# Altium PCB PCB1.PcbDoc (part 3 of 3)
Units mil, origin at the board's own origin, x right, y up, seen from the top; angles counter-clockwise.
Board outline 6000 x 4000 mil, 4 copper layers (Top Layer, Mid-Layer 1, Mid-Layer 2, Bottom Layer); 368 components, 202 nets, 969 pads, 330 vias.
Unrouted connection lines stored in the file: 67.
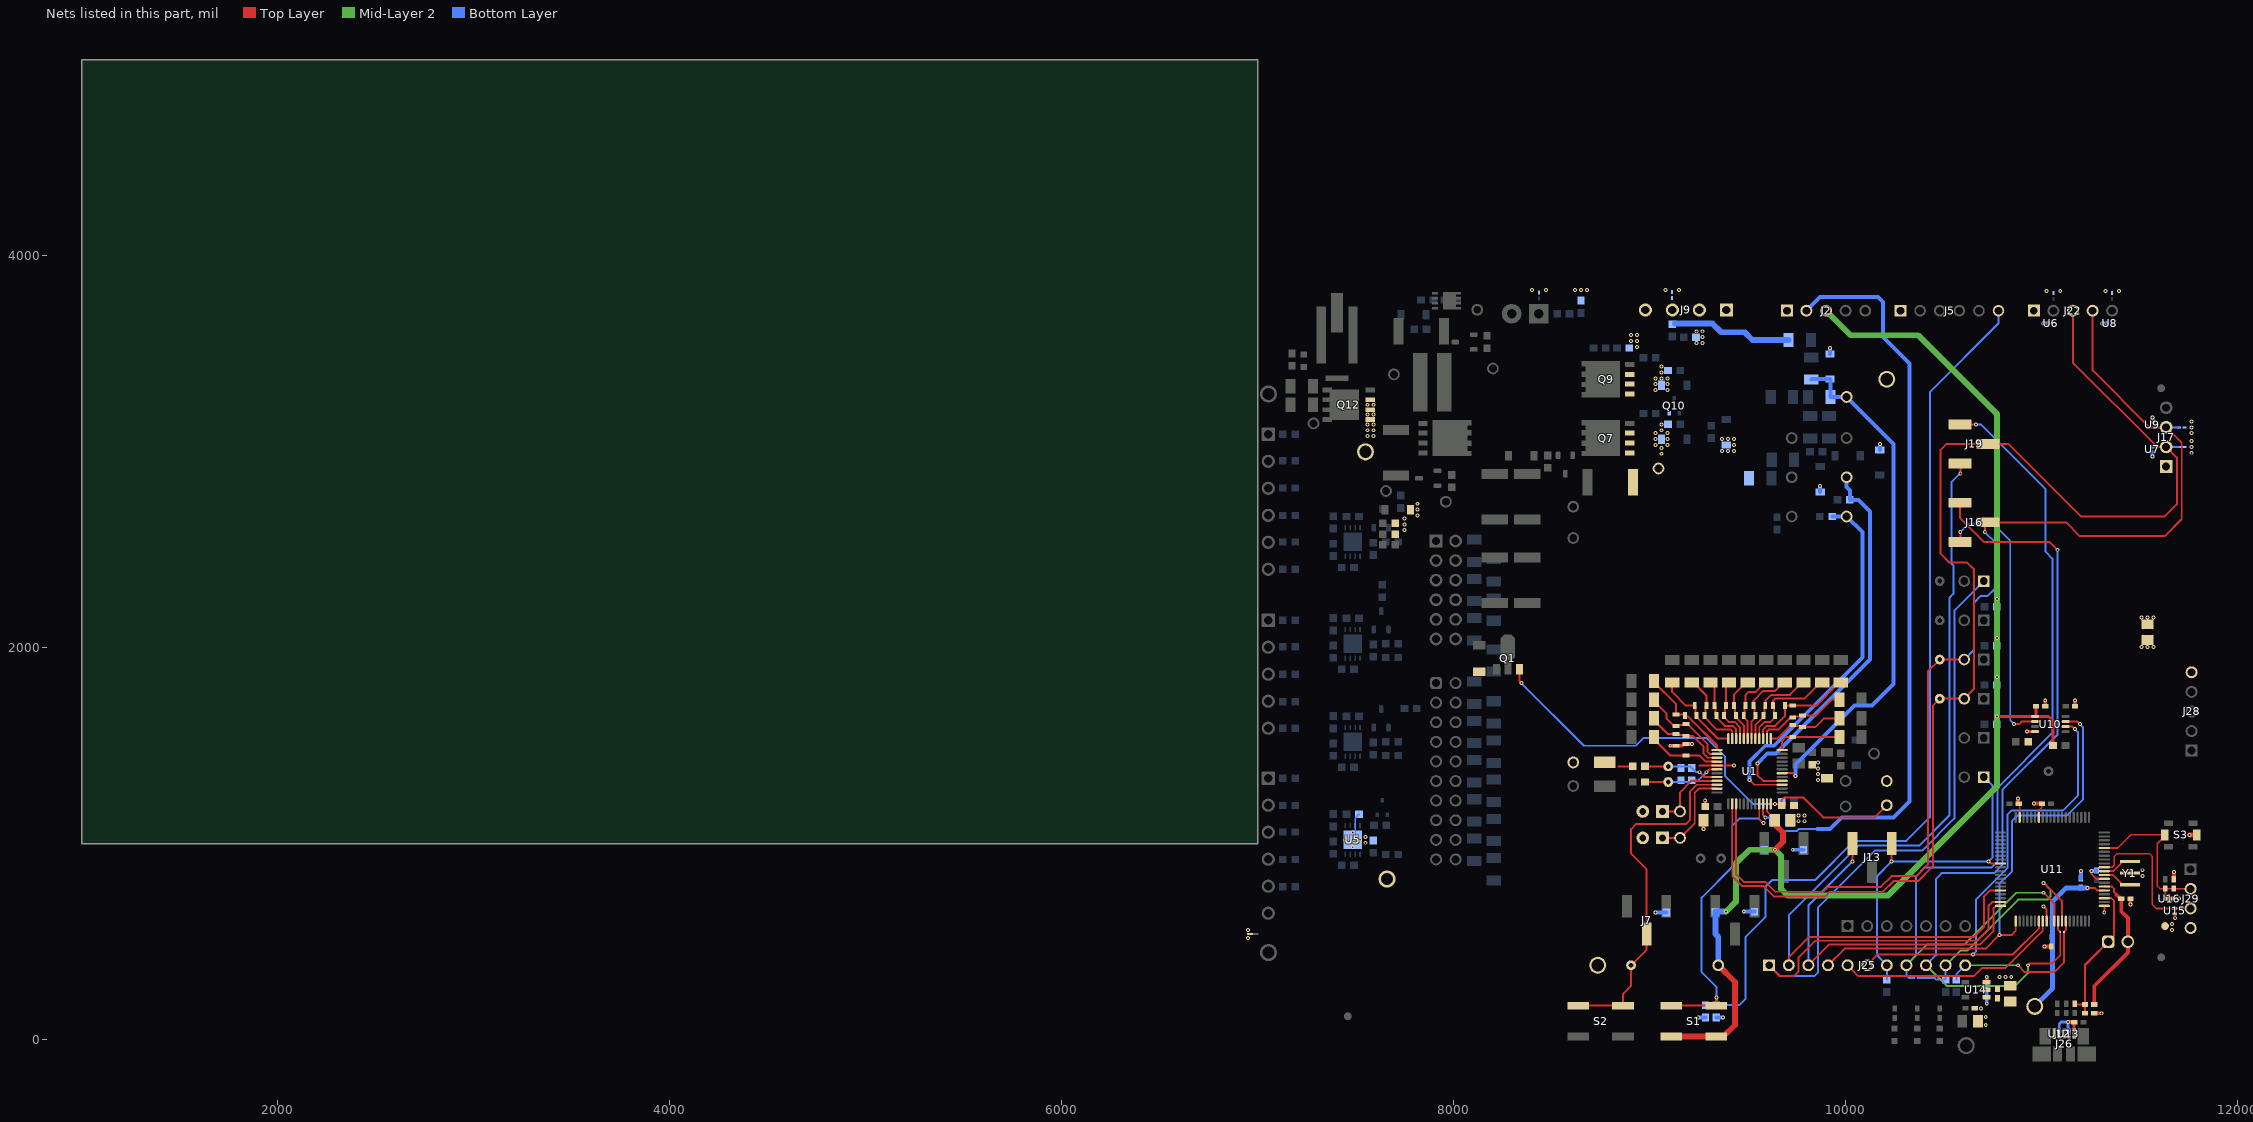
[diagram p5: the nets of this part, all layers, seen from the top]

## Via types
v1: diameter 20, hole 10, Top Layer to Bottom Layer, tented both sides, 298 vias
v2: diameter 19.68, hole 7.87, Top Layer to Bottom Layer, tented both sides, 32 vias

## Nets (pads, with @x,y where several pads share a name; then routed paths per layer and width w, separated by ;. In a path a pad name is that pad's centre, name@x,y a point inside that pad or via, vN(x,y) a via of type N, cw(c..) or ccw(c..) an arc to the next point about the centre after c; other vN are vias at no path point) (continued)
NetRT1_1: RT1.1 TP7.1 U1.21 | length 400.5
  Top Layer w10: RT1.1@9065,1165 TP7.1@9155,1165 9155,1262.75 9213.04,1320.79 U1.21@9343.66,1320.79
NetRT2_1: RT2.1 TP8.1 U1.23 | length 473.6
  Top Layer w10: RT2.1@9065,1030 TP8.1@9155,1030 9230,1105 9230,1260 9251.42,1281.42 U1.23@9343.66,1281.42
NetU11_69: U11.69 Y1.1 | length 135.8
  Top Layer w10: U11.69@11319.76,840.47 11364.53,840.47 11414.06,790.94 Y1.1@11435,790.94
NetU11_70: U11.70 Y1.3 | length 135.5
  Top Layer w10: U11.70@11319.76,860.16 11365.16,860.16 11414.06,909.06 Y1.3@11435,909.06
P4_2: J25.6 U10.6 U11.47 | length 2576.4
  Top Layer w10: J25.6@10110,380 10165,435 v1(10650,435) 10853.93,435 10986.1,567.18 U11.47@10986.1,605.24 ; U10.6@11122.76,1598.2 11156.8,1598.2 v1(11170,1585)
  Bottom Layer w10: v1(10650,435) 10665,450 10665,715.24 10825,875.24 10825,1148.15 10846.85,1170 11110,1170 11185,1245 11185,1570 v1(11170,1585)
P4_3: J25.5 U11.48 | length 1163.6
  Top Layer w10: J25.5@10010,380 10065,325 10654.72,325 10694.72,365 10815,365 11005.79,555.79 U11.48@11005.79,605.24
PACK: D11.1 R70.2 R73.2 TP33.1 U1.42 | length 2639.6
  Top Layer w10: U1.42@9676.34,1360.16 9729.84,1360.16 v1(9745,1345)
  Bottom Layer w20: v1(9745,1345) 9745,1405 10045,1705 10135,1705 10245,1815 10245,3040 TP33.1@10005,3280 R70.2@9922.09,3280 9922.09,3368.44 D11.1@9920,3370.53 9827.62,3370.53 R73.2@9825,3367.91
PACK+: C38.1 C42.1 D5.2 D6.2 E2.1 J9.3 J9.4 Q7.1 Q7.2 Q7.3 Q9.1 Q9.2 Q9.3 Q10.2 R40.2 R51.1 R52.1 R74.1 R77.1 TP22.1 | length 613.1
  Bottom Layer w30: C42.1@9130.02,3655 9320,3655 9365,3610 9485,3610 9525,3570 R74.1@9707.91,3570
  other v1: 9060,2990 9060,3020 9030,3035 9090,3035 9030,3065 9090,3065 9030,3095 9090,3095 9060,3110 9060,3140 9030,3315 9090,3315 9030,3345 9090,3345 9030,3375 9060,3375 9090,3375 9060,3405 9060,3435 8935,3535 8905,3565 8935,3565 8905,3595 8935,3595
PCHG: R62.1 TP31.1 U1.40 | length 1998.2
  Top Layer w10: v1(9550,1410) 9550,1350 9579.21,1320.79 U1.40@9676.34,1320.79
  Bottom Layer w20: v1(9550,1410) 9600,1460 9645,1460 10125,1940 10125,2695 10065,2755 R62.1@10021.5,2755 10021.5,2803.5 10005,2820 TP31.1@10005,2870
PDSG: R63.1 TP32.1 U1.39 | length 1892.4
  Top Layer w10: v1(9510,1325) 9533.9,1301.1 U1.39@9676.34,1301.1
  Bottom Layer w20: v1(9510,1325) 9510,1420 9590,1500 9635,1500 10085,1950 10085,2590 TP32.1@10005,2670 R63.1@9931.5,2670
PGND: C36.2 C45.2 D7.2 E1.2 E2.2 E3.2 E4.2 E5.2 E6.2 J9.1 J9.2 J17.1 J22.1 NT5.2 R28.1 R30.1 TP36.1 U6.2 U7.2 U8.2 U9.2 | length 153.5
  Top Layer w10: 8840,1395 R28.1@8913.5,1395
  Bottom Layer w20: v1(11010,3655) U6.2@11030,3655 ; v1(11310,3655) U8.2@11330,3655 ; v1(11565,2975) U7.2@11565,2995 ; U9.2@11565,3155 v1(11565,3175)
  other v1: 11510,2155 11540,2155 11570,2155 11765,2995 9370,3005 9400,3005 9430,3005 11765,3025 9430,3035 11765,3055 9370,3065 9400,3065 9430,3065 11765,3095 11765,3125 11765,3155 9240,3555 9270,3555 9270,3585 9240,3615 9270,3615 11025,3820 11095,3820 11325,3820 11395,3820 8400,3825 8470,3825 8620,3825 8650,3825 8680,3825 9080,3825 9150,3825
PUR: J27.1 R116.1 R118.2 R119.1 U11.63 | length 738.6
  Top Layer w10: R116.1@11173.62,180 R119.1@11221.38,180 ; R118.2@11221.38,135 R119.1@11221.38,180 ; U11.63@11319.76,722.36 11355.79,722.36 11370,708.15 11370,530 11221.38,381.38 R119.1@11221.38,180
QGND: C58.1 C59.1 C60.2 C61.2 C62.2 C63.2 C64.2 C65.2 C66.2 C67.2 C68.2 C69.2 C70.2 J26.5 J28.5 J29.4 NT5.1 R112.1 R117.1 R118.1 S3.1 TP45.1 U10.4 U11.14 U11.19 U11.49 U11.61 U11.68 U12.2 U13.2 U14.2 U15.2 U16.2 Y1.2 | length 1025.6
  Top Layer w8: C61.2@10883.62,1205 10887.68,1200.94 U11.19@10887.68,1134.76 ; U11.14@10986.1,1134.76 10986.1,1171.1 11001.38,1186.38 C69.2@11001.38,1205
  Top Layer w10: v1(11010,680) 11025.47,664.53 U11.49@11025.47,605.24 ; v1(11255,860) 11255,845 11279.21,820.79 U11.68@11319.76,820.79 ; v1(11319.76,650) U11.61@11319.76,682.99
  Top Layer w15: v1(10925,1572.61) U10.4@10967.24,1572.61 ; J26.5@11166.18,31.81 11166.18,89.8 R117.1@11166.38,90 ; U16.2@11669.68,720 v1(11700,720) ; v1(11680,620) U15.2@11680,640
  Top Layer w20: v1(10880,1230) 10880,1208.62 C61.2@10883.62,1205 ; v1(10961.38,1205) C69.2@11001.38,1205 ; v1(11015,476.38) C68.2@11050,476.38 ; C58.1@11018.62,1701 v1(11018.62,1730) ; v1(11135,90) R117.1@11166.38,90 ; C59.1@11170.62,1701 v1(11170.62,1730) ; R118.1@11268.62,135 v1(11305,135) ; v1(11453.62,690) C60.2@11453.62,720 ; C70.2@11675,818.62 v1(11675,855)
  Top Layer w25: v1(11755,1045) S3.1@11791.69,1045
  Bottom Layer w15: U12.2@11090,45 11090,80 11100,90 v1(11135,90) U13.2@11135,45
  Bottom Layer w20: C66.2@11200,823.62 v1(11200,860) ; v1(11255,860) 11276.38,860 C67.2@11280,863.62
  other v1: 10715,75 10715,115 10690,160 10785,320 10815,320 10845,320 11665,560 11665,590 11515,835 11515,865 11510,2005 11540,2005 11570,2005
REG1: C12.2 C58.2 J2.3 R25.1 R89.1 R92.1 R94.1 R97.1 R99.1 R113.1 S1.3 S1.4 TP6.1 U1.35 U10.1 | length 7043.7
  Top Layer w10: U1.35@9598.58,1203.66 9598.58,1166.42 9640.55,1124.45 C12.2@9640.55,1096.45 ; v1(10771.5,1650) v1@10772.11,1649.39 ; U10.1@10967.24,1649.39 U10.1@10971.38,1653.52
  Top Layer w15: v1@10772.11,1649.39 U10.1@10967.24,1649.39 11035.61,1649.39 11058.5,1626.5 R113.1@11058.5,1501 ; U10.1@10971.38,1653.52 C58.2@10971.38,1701
  Top Layer w30: S1.3@9110.83,16.26 S1.4@9339.17,16.26 9376.26,16.26 9435,75 9435,295 TP6.1@9350,380 ; v1(9639.37,969.37) 9680,1010 9680,1057 C12.2@9640.55,1096.45
  Mid-Layer 2 w30: v1(9390,653.51) 9440,703.51 9440,900 9509.37,969.37 v1(9639.37,969.37) 9670,938.75 9670,770 9705,735 10215,735 10771.5,1291.5 v1(10771.5,1650) v1(10771.5,1850) v1(10771.5,2050) v1(10771.5,2250) 10771.5,3193.5 10370,3595 10025,3595 J2.3@9900,3720
  Bottom Layer w30: TP6.1@9350,380 9350,525 9335.01,539.99 R25.1@9335,653.5 v1(9390,653.51) ; R89.1@9585,969.37 v1(9639.37,969.37) ; R99.1@10771.5,1610 v1(10771.5,1650) ; R97.1@10771.5,1810 v1(10771.5,1850) ; R94.1@10771.5,2010 v1(10771.5,2050) ; R92.1@10771.5,2210 v1(10771.5,2250)
REG2: C15.2 J2.2 U1.34 | length 3946.4
  Top Layer w10: U1.34@9578.9,1203.66 9578.9,1146.1 v1(9590,1135)
  Bottom Layer w10: v1(9590,1135) 9630,1135 9630,1115 9680,1065 9750,1065 9760,1075 9855,1075
  Bottom Layer w20: J2.2@9800,3720 9870,3790 10165,3790 10190,3765 10190,3585 10325,3450 10325,1215 10245,1135 9980,1135 9920,1075 9855,1075
REGIN: C13.2 Q1.3 R15.1 TP5.1 U1.36 | length 2455.6
  Top Layer w10: Q1.3@8340.51,1895 Q1.3@8335.71,1890.2 8335.71,1829.29 v1(8345,1820) ; U1.36@9618.27,1203.66 v1(9640,1203.66) 9664.84,1203.66 C13.2@9673.5,1195 9673.5,1223.5 9685,1235 9785,1235 9885,1135 10148.74,1135 TP5.1@10210,1196.26
  Bottom Layer w10: v1(8345,1820) 8665,1500 8930,1500 8970,1540 9288.66,1540 9385,1443.66 9385,1345 9526.34,1203.66 v1(9640,1203.66) 9662.17,1203.66 R15.1@9673.5,1215
RST: C70.1 J29.2 R123.1 S3.2 U11.76 U16.1 | length 840.7
  Top Layer w8: U11.76@11319.76,978.27 11388.27,978.27 11455,1045 S3.2@11628.31,1045 11628.31,1038.31 11590,1000 11590,785 11603.62,771.38 R123.1@11630,771.38 ; U16.1@11637.2,720 11637.2,738.11 11630.32,745 11630.32,771.06 R123.1@11630,771.38 ; J29.2@11758.62,771.38 R123.1@11630,771.38
RST_SHUT: C20.1 J5.6 R20.1 S1.1 S1.2 U1.33 | length 6120.2
  Top Layer w10: S1.1@9110.83,173.74 S1.2@9339.17,173.74 9340,174.57 v1(9340,215) ; U1.33@9559.21,1203.66 9559.21,1125.79 v1(9580,1105)
  Bottom Layer w10: R20.1@9285,176.5 C20.1@9340,176.5 ; v1(9580,1105) 9555,1130 9460,1130 9421.42,1091.42 9421.42,881.42 9265,725 9265,345 9340,270 C20.1@9340,176.5 ; J5.6@10780,3720 10780,3655 10430,3305 10430,1135 10310,1015 10045,1015 9845,815 9625,815 9590,780 9590,625 9490,525 9490,210 9456.5,176.5 C20.1@9340,176.5
SCL: E4.1 J17.2 J18.2 J19.2 J22.3 TP40.1 U1.26 U7.1 | length 6674.7
  Top Layer w10: U1.26@9421.42,1203.66 9421.42,833.58 9470,785 9580,785 9635,730 9895,730 9920,755 10190,755 10245,810 10370,810 10445,885 10445,1705 TP40.1@10480,1740 J18.2@10605,1740 10655,1790 10655,2400 10620,2435 10530,2435 10485,2480 10485,3010 10515,3040 10830,3040 11200,2670 11627.91,2670 11690,2732.09 11690,2970.58 J17.2@11635.59,3025 11590,3025 11160,3455 J22.3@11160,3720
  Bottom Layer w10: U7.1@11565,3025 J17.2@11635.59,3025 E4.1@11700,3025
SCL2: J19.3 J25.8 NT3.1 U11.51 | length 4641.8
  Top Layer w10: J19.3@10584.13,3140 v1(10665,3140) ; v1(11010,750) 11064.84,695.16 U11.51@11064.84,605.24
  Mid-Layer 2 w10: J25.8@10310,380 10415,485 10605,485 10870,750 v1(11010,750)
  Bottom Layer w10: NT3.1@10350,315 10325,315 10310,330 J25.8@10310,380 10360,430 10360,835 10405,880 10745,880 10775,910 10775,1285.36 11055,1565.36 11055,2455 11020,2490 11020,2810 10690,3140 v1(10665,3140)
SDA: E6.1 J15.2 J16.2 J17.3 J22.4 TP39.1 U1.27 U9.1 | length 5956
  Top Layer w10: U1.27@9441.1,1203.66 9441.1,843.9 9480,805 9590,805 9640,755 9885,755 9910,780 10180,780 10235,835 10360,835 10420,895 10420,1880 TP39.1@10480,1940 J15.2@10605,1940 ; J16.2@10705,2640 11125,2640 11195,2570 11627.91,2570 11715,2657.09 11715,3045.58 J17.3@11635.59,3125 11550,3125 11260,3415 J22.4@11260,3720 ; v1(10710,2590) 10710,2624.13 J16.2@10725.87,2640
  Bottom Layer w10: J15.2@10605,1940 10655,1990 10655,2230 10690,2265 10725,2265 10765,2305 10765,2535 v1(10710,2590) ; U9.1@11565,3125 J17.3@11635.59,3125 E6.1@11700,3125
SDA2: J16.3 J25.9 NT4.1 U11.52 | length 4191.5
  Top Layer w10: J16.3@10584.13,2740 10584.13,2660.87 10705,2540 11040,2540 v1(11080,2500) ; v1(10930,380) 10940,390 11055,390 11095,430 NT4.1@11095,550 11084.53,560.47 U11.52@11084.53,605.24
  Mid-Layer 2 w10: J25.9@10410,380 10515,275 10865,275 10930,340 v1(10930,380)
  Bottom Layer w10: J25.9@10410,380 10460,430 10460,820 10490,850 10757.43,850 10800,892.57 10800,1275 11080,1555 v1(11080,2500)
SMBC1: J25.10 NT3.2 R110.2 U11.53 | length 1215.3
  Top Layer w10: v1(11010,800) 11104.21,705.79 U11.53@11104.21,605.24
  Mid-Layer 2 w10: J25.10@10510,380 10585,455 10620,455 10880,715 11030,715 11045,730 11045,765 v1(11010,800)
  Bottom Layer w10: NT3.2@10370,315 10455,315 10463.5,306.5 R110.2@10510,306.5 J25.10@10510,380
SMBD1: J25.11 NT4.2 R109.2 U11.54 | length 846.3
  Top Layer w10: v1(10880,380) 10915,345 11065,345 11115,395 NT4.2@11115,550 11123.9,558.9 U11.54@11123.9,605.24
  Mid-Layer 2 w10: J25.11@10610,380 v1(10880,380)
  Bottom Layer w10: R109.2@10565,306.5 10565,335 J25.11@10610,380
SRN: C27.1 C28.2 R28.2 TP13.1 U1.20 | length 389.8
  Top Layer w10: R28.2@8976.5,1395 TP13.1@9095,1395 ; v1(9255,1365) 9279.53,1340.47 U1.20@9343.66,1340.47
  Bottom Layer w10: TP13.1@9095,1395 9206.5,1395 C27.1@9215,1386.5 9236.5,1365 v1(9255,1365)
SRP: C27.2 C28.1 R27.2 TP12.1 U1.18 | length 394
  Top Layer w10: R27.2@8976.5,1315 TP12.1@9095,1315 ; v1(9290,1365) 9304.84,1379.84 U1.18@9343.66,1379.84
  Bottom Layer w10: TP12.1@9095,1315 9206.5,1315 C27.2@9215,1323.5 9248.5,1323.5 v1(9290,1365)
TEST: J29.3 U11.71 U15.1 | length 755
  Top Layer w8: U11.71@11319.76,879.84 11359.84,879.84 11370,890 11370,935 11385,950 11550,950 11565,935 11565,690 11585.31,669.69 U15.1@11685,669.69 ; U15.1@11685.31,670 J29.3@11760,670
TS2: J7.2 S2.3 S2.4 TP11.1 U1.22 | length 1830.1
  Top Layer w10: S2.4@8635.83,173.74 S2.3@8864.17,173.74 8864.17,234.17 8905,275 TP11.1@8905,380 8985,460 J7.2@8985,539.14 8985,870 8905,950 8905,1075 8930,1100 9185,1100 9205,1120 9205,1265 9241.1,1301.1 U1.22@9343.66,1301.1
uC_HDQ: J13.3 J21.1 J25.7 R111.2 U11.29 | length 1762.6
  Top Layer w10: v1(10235,910) J13.3@10235,1000.87 ; v1(10730,910) 10740.47,899.53 U11.29@10790.24,899.53
  Bottom Layer w10: R111.2@10210,306.5 J25.7@10210,380 10160,430 10160,835 v1(10235,910) v1(10730,910) 10750,930 10750,1295 J21.1@10705,1340
uC_SPI_CLK: J19.1 J25.2 U11.36 | length 4465.3
  Top Layer w10: J25.2@9710,380 9710,420 9815,525 10655,525 10705,575 10705,730 10736.73,761.73 U11.36@10790.24,761.73 ; J19.1@10584.13,2940 10585,2939.13 v1(10585,2890)
  Bottom Layer w10: J25.2@9710,380 9710,635 10065,990 10375,990 10530,1145 10530,2255 10550,2275 10550,2420 10540,2430 10540,2845 v1(10585,2890)
uC_SPI_CS: J10.1 J25.1 U11.39 | length 4237.6
  Top Layer w10: J25.1@9610,380 9665,325 9735,325 9760,350 9760,420 9845,505 10670,505 10730,565 10730,685 10747.68,702.68 U11.39@10790.24,702.68
  Bottom Layer w10: J25.1@9610,380 9665,325 9840,325 9860,345 9860,675.28 10149.72,965 10390,965 10555,1130 10555,2190 J10.1@10705,2340
uC_SPI_MISO_A: J16.1 U10.2 | length 1413.4
  Top Layer w10: J16.1@10584.13,2540 10585,2540.87 v1(10585,2590) ; v1(10860,1610) 10885,1610 10898.8,1623.8 U10.2@10967.24,1623.8
  Bottom Layer w10: v1(10585,2590) 10625,2630 10755,2630 10840,2545 10840,1630 v1(10860,1610)
uC_SPI_MISO_B: J25.4 U10.7 U11.41 | length 2563.4
  Top Layer w10: J25.4@9910,380 9995,465 10715,465 v1(10785,535) 10847.99,535 10867.99,555 U11.41@10867.99,605.24 ; U10.7@11122.76,1623.8 11181.2,1623.8 v1(11195,1610)
  Bottom Layer w10: v1(10785,535) 10785,795.47 10850,860.47 10850,1116.77 10878.23,1145 11130,1145 11210,1225 11210,1595 v1(11195,1610)
uC_SPI_MOSI: J13.1 J25.3 U11.40 | length 1887.2
  Top Layer w10: J25.3@9810,380 9915,485 10685,485 10755,555 10755,670 10767.99,682.99 U11.40@10790.24,682.99 ; v1(10035,910) J13.1@10035,1000.87
  Bottom Layer w10: J25.3@9810,380 9810,685 v1(10035,910)
VBUS: C62.1 C63.1 C66.1 J26.1 TP43.1 U11.65 U14.1 U14.3 | length 1034.5
  Top Layer w10: v1(11235,775) 11270,775 11283.27,761.73 U11.65@11319.76,761.73
  Top Layer w20: U14.3@10719.13,292.4 10720,293.27 v1(10720,320)
  Bottom Layer w20: v1(10720,185) v1(10720,320)
  Bottom Layer w25: TP43.1@10965,170 11055,260 11055,705 11125,775 v1(11235,775)
VC0: C23.1 R24.2 U1.16 | length 380
  Top Layer w10: R24.2@9022.09,1545 9022.09,1534.17 9106.26,1450 C23.1@9185,1450 9255,1450 9285.79,1419.21 U1.16@9343.66,1419.21
VC1: C22.2 C24.1 R23.2 U1.15 | length 424.6
  Top Layer w10: R23.2@9022.09,1640 9022.09,1629.17 9091.26,1560 C24.1@9135,1560 9140,1555 C22.2@9180,1555 ; C22.2@9185,1550 9220,1550 9275,1495 9275,1460 9296.1,1438.9 U1.15@9343.66,1438.9
VC2: C21.2 C22.1 R22.2 U1.14 | length 479.7
  Top Layer w10: R22.2@9022.09,1735 9022.09,1727.91 9085,1665 9085,1640 9125,1600 C21.2@9135,1600 9140,1605 C22.1@9180,1605 ; C22.1@9185,1610 9195.31,1610 9295,1510.31 9295,1470 9306.42,1458.58 U1.14@9343.66,1458.58
VC3: C19.2 C21.1 R21.2 U1.13 | length 514.2
  Top Layer w10: R21.2@9022.09,1830 9022.09,1823.91 9135,1711 C21.1@9135,1660 9175,1660 C19.2@9180,1655 9185,1650 9195,1650 9343.66,1501.34 U1.13@9343.66,1478.27
VC4: C18.2 C19.1 R19.2 U1.12 | length 455.7
  Top Layer w10: R19.2@9115,1822.91 9115,1775 9185,1705 C18.2@9230,1705 9235,1700 C19.1@9235,1660 ; C19.1@9240,1655 9240,1645 9348.66,1536.34 U1.12@9401.73,1536.34
VC5: C17.2 C18.1 R18.2 U1.11 | length 418.4
  Top Layer w10: R18.2@9215,1822.91 9222.09,1822.91 9290,1755 C18.1@9290,1705 9285,1700 C17.2@9285,1660 ; C17.2@9280,1655 9280,1645 9343,1582 9413,1582 9421.42,1573.58 U1.11@9421.42,1536.34
VC6: C16.2 C17.1 R17.2 U1.10 | length 357.2
  Top Layer w10: R17.2@9310,1822.91 9330,1802.91 C16.2@9330,1705 9335,1700 C17.1@9335,1660 ; C17.1@9340,1655 9340,1645 9383,1602 9423,1602 9441.1,1583.9 U1.10@9441.1,1536.34
VC7: C14.2 C16.1 R16.2 U1.9 | length 340.9
  Top Layer w10: C14.2@9380,1655 9380,1645 9403,1622 9433,1622 9460.79,1594.21 U1.9@9460.79,1536.34 ; C14.2@9385,1660 9385,1700 C16.1@9390,1705 9390,1807.91 R16.2@9405,1822.91
VC8: C11.2 C14.1 R14.2 U1.8 | length 333.6
  Top Layer w10: C14.1@9435,1660 9435,1700 C11.2@9430,1705 9430,1760 9492.91,1822.91 R14.2@9500,1822.91 ; C14.1@9440,1655 9440,1645 9480.47,1604.53 U1.8@9480.47,1536.34
VC9: C10.2 C11.1 R13.2 U1.7 | length 360.1
  Top Layer w10: C10.2@9480,1655 9480,1645 9500.16,1624.84 U1.7@9500.16,1536.34 ; C10.2@9485,1660 9485,1700 C11.1@9490,1705 9490,1760 9505,1775 9542.52,1775 9590.43,1822.91 R13.2@9595,1822.91
VC10: C9.2 C10.1 R12.2 U1.6 | length 397.6
  Top Layer w10: U1.6@9519.84,1536.34 9519.84,1624.53 9540,1644.69 C10.1@9540,1655 ; C10.1@9535,1660 9535,1700 C9.2@9530,1705 9530,1730 9580,1780 9640,1780 9682.91,1822.91 R12.2@9690,1822.91
VC11: C8.2 C9.1 R11.2 U1.5 | length 441
  Top Layer w10: U1.5@9539.53,1536.34 9539.53,1604.53 9580,1645 C8.2@9580,1655 ; C8.2@9585,1660 9585,1700 C9.1@9590,1705 9590,1730 9620,1760 9715,1760 9777.91,1822.91 R11.2@9785,1822.91
VC12: C7.2 C8.1 R8.2 U1.4 | length 530.3
  Top Layer w10: U1.4@9559.21,1536.34 9559.21,1594.21 9587,1622 9617,1622 9640,1645 C8.1@9640,1655 ; C8.1@9635,1660 9635,1700 C7.2@9630,1705 9630,1730 9640,1740 9790,1740 9872.91,1822.91 R8.2@9880,1822.91
VC13: C6.2 C7.1 R7.2 U1.3 | length 574.9
  Top Layer w10: U1.3@9578.9,1536.34 9578.9,1583.9 9597,1602 9642,1602 9690,1650 C7.1@9690,1705 C6.2@9730,1705 9850,1705 9967.91,1822.91 R7.2@9975,1822.91
VC14: C5.2 C6.1 R4.2 U1.2 | length 466.4
  Top Layer w10: U1.2@9598.58,1536.34 9598.58,1573.58 9607,1582 9657,1582 9720,1645 C6.1@9730,1645 ; C6.1@9735,1650 9775,1650 C5.2@9780,1655 9850,1655 9930,1735 R4.2@9967.91,1735
VC15: C4.2 C5.1 R3.2 U1.1 | length 393.8
  Top Layer w10: U1.1@9618.27,1536.34 9651.34,1536.34 9720,1605 C4.2@9730,1605 ; C4.2@9735,1600 9775,1600 C5.1@9780,1595 9845,1595 9890,1640 R3.2@9967.91,1640
VC16: C4.1 R2.2 U1.48 | length 347.4
  Top Layer w10: U1.48@9676.34,1478.27 9676.34,1526.34 9695,1545 C4.1@9730,1545 R2.2@9967.91,1545
VSS: C1.2 C2.2 C12.1 C13.1 C15.1 C20.2 C23.2 C24.2 C25.1 C26.2 C47.1 C54.1 C57.1 C71.2 D8.2 D10.2 D11.2 D12.2 J2.1 J5.1 NT1.1 Q12.1 Q12.2 Q12.3 R20.2 R26.1 R29.1 R66.1 R91.1 RT1.2 RT2.2 TP14.1 TP15.1 TP16.1 TP17.1 TP18.1 U1.17 U5.7 U5.9 | length 832.5
  Top Layer w10: 9255.47,1399.53 U1.17@9343.66,1399.53 9344.13,1400 v1(9430,1400)
  Top Layer w20: v1(9105,1500) C24.2@9135,1500 9165,1500 9175,1510 C23.2@9185,1510 v1(9215,1510) ; v1(9275,1075) C25.1@9275,1120 ; C26.2@9283.5,1190 v1(9283.5,1220)
  Bottom Layer w10: v2(7485,1020) 7497.8,1032.8 7497.8,1057.4 7497.8,1131.3 C57.1@7516.5,1150
  Bottom Layer w20: v1(9030,649.37) R29.1@9085,649.37 ; v1(9250,113.5) R20.2@9285,113.5 ; C20.2@9340,113.5 v1(9375,113.5) ; v1(9480,653.51) R26.1@9535.01,653.51 ; v1(9730,969.37) R91.1@9785,969.37 ; D12.2@9870,2795.53 v1(9870,2825) ; D11.2@9920,3499.47 v1(9920,3530) ; D10.2@10175,3009.47 v1(10175,3040)
  other v1: 6950,520 6950,560 7550,1005 7550,1035 9760,1115 9790,1115 9760,1145 9790,1145 9860,1325 9860,1355 9860,1385 9860,1415 7750,2600 7750,2630 7750,2660 7815,2675 7815,2705 7815,2735 7560,3080 7590,3080 7560,3110 7590,3110 7560,3140 7590,3140 7560,3190 7590,3190 7560,3240 7590,3240
  other v2: 7485,982.6 7447.6,1020 7522.4,1020 7485,1057.4
VUSB: C60.1 J27.2 R119.2 U11.66 | length 747.3
  Top Layer w10: U11.66@11319.76,781.42 11358.58,781.42 11370,770 11370,752.44 11380.79,741.65
  Top Layer w20: R119.2@11268.62,180 11268.62,273.62 11440,445 J27.2@11440,500 11440,621.38 11406.38,655 C60.1@11406.38,720 11402.44,720 11380.79,741.65
pads on no net: D13.2 FID1.1 FID2.1 FID3.1 FID4.1 FID5.1 FID6.1 H1.0 H2.0 H3.0 H4.0 J17.4 J26.4 J29.1 S3.MH1 S3.MH2 S3.MP1 S3.MP2 S3.MP3 S3.MP4 SH-J1.0 SH-J2.0 SH-J3.0 SH-J4.0 SH-J5.0 SH-J6.0 SH-J7.0 SH-J8.0 SH-J9.0 SH-J10.0 SH-J11.0 SH-J12.0 SH-J13.0 SH-J14.0 SH-J15.0 SH-J16.0 SH-J17.0 SH-J18.0 SH-J19.0 SH-J20.0 SH-J21.0 U1.19 U1.44 U6.1S U6.2S U7.1S U7.2S U8.1S U8.2S U9.1S U9.2S U11.1 U11.2 U11.3 U11.4 U11.5 U11.6 U11.7 U11.8 U11.9 U11.10 U11.12 U11.13 U11.28 U11.30 U11.31 U11.32 U11.33 U11.34 U11.35 U11.37 U11.38 U11.42 U11.43 U11.44 U11.45 U11.46 U11.55 U11.56 U11.72 U11.73 U11.74 U11.75 U11.77 U11.78 U11.79 U11.80 U12.1S U12.2S U13.1S U13.2S U14.4 U15.1S U15.2S U16.1S U16.2S
copper on no net:
  other v1: 8080,1880 8080,1910 8080,1940
  other v2: 7485,1482.6 7447.6,1520 7485,1520 7522.4,1520 7485,1557.4 7485,1982.6 7447.6,2020 7485,2020 7522.4,2020 7485,2057.4 7485,2502.6 7447.6,2540 7485,2540 7522.4,2540 7485,2577.4

## Polygon pours and split planes (outlines as drawn)
no net on Mid-Layer 1 "Layer 2 - GND - PGND" (solid, remove dead copper, pour order 0): 8760,1370 8560,1370 8525,1405 8410,1520 8410,1715 8410,2065 8655,2310 9195,2850 9195,3720 9195,3775 8390,3775 8390,3850 11840,3850 11840,2095 11410,2095 11410,3165 10830,3165 10830,3775 9615,3775 9615,2675 8830,1890 8830,1370
no net on Mid-Layer 1 "Layer 2 - GND - QGND" (solid, remove dead copper, pour order 1): 11835,2065 11380,2065 11380,3135 10840,3135 10840,1250 10510,1250 10510,780 9540,780 9540,-110 11840,-110 11840,2065
no net on Mid-Layer 1 "Layer 2 - GND - VSS" (solid, remove dead copper, pour order 2): 6930,-110 9520,-110 9520,810 10480,810 10480,1280 10810,1280 10810,3675 10330,3675 10330,3755 10150,3755 10150,3670 9750,3670 9750,3755 9645,3755 9645,3675 9645,2655 9465,2475 8890,1900 8890,1870 8890,1530 8870,1510 8860,1500 8860,1445 8860,1340 8545,1340 8475,1410 8380,1505 8380,1605 8380,2065 9175,2860 9175,3050 9175,3760 8370,3760 8370,3845 8370,3850 6930,3850
no net on Mid-Layer 2 "Layer 3 - PWR - VSS" (solid, remove dead copper, pour order 3): 6930,-110 9520,-110 9520,810 10480,810 10480,1280 10810,1280 10810,3675 10330,3675 10330,3755 10150,3755 10150,3670 9750,3670 9750,3755 9645,3755 9645,3675 9645,2655 9465,2475 8890,1900 8890,1870 8890,1530 8870,1510 8860,1500 8860,1445 8860,1340 8545,1340 8475,1410 8380,1505 8380,1605 8380,2065 9175,2860 9175,3050 9175,3760 8370,3760 8370,3845 8370,3850 6930,3850
no net on Mid-Layer 2 "Layer 3 - PWR - PGND" (solid, remove dead copper, pour order 4): 8760,1370 8560,1370 8525,1405 8410,1520 8410,1715 8410,2065 8655,2310 9195,2850 9195,3720 9195,3775 8390,3775 8390,3850 11840,3850 11840,2095 11410,2095 11410,3165 10830,3165 10830,3775 9615,3775 9615,2675 8830,1890 8830,1370
no net on Mid-Layer 2 "Layer 3 - PWR - 3.3V" (solid, remove dead copper, pour order 11): 10160,-100 11830,-100 11830,1970 10870,1970 10870,1290 10925,1235 10985,1235 11065.03,1154.97 11065.03,1065 11065.03,637.53 10962.5,535 10962.5,332.5 10865,235 10545,235 10160,235
no net on Top Layer "Layer 1 - Top Layer - VSS" (solid, remove dead copper, pour order 5): 6930,-110 9520,-110 9520,810 10480,810 10480,1280 10810,1280 10810,3675 10330,3675 10330,3755 10150,3755 10150,3670 9750,3670 9750,3755 9645,3755 9645,3675 9645,2655 9465,2475 8890,1900 8890,1870 8890,1530 8870,1510 8860,1500 8860,1445 8860,1340 8545,1340 8475,1410 8380,1505 8380,1605 8380,2065 9175,2860 9175,3050 9175,3760 8370,3760 8370,3845 8370,3850 6930,3850
no net on Top Layer "Layer 1 - Top Layer - PGND" (solid, remove dead copper, pour order 6): 8760,1370 8560,1370 8525,1405 8410,1520 8410,1715 8410,2065 8655,2310 9195,2850 9195,3720 9195,3775 8390,3775 8390,3850 11840,3850 11840,2095 11410,2095 11410,3165 10830,3165 10830,3775 9615,3775 9615,2675 8830,1890 8830,1370
no net on Top Layer "Layer 1 - Top Layer - QGND" (solid, remove dead copper, pour order 7): 11835,2065 11380,2065 11380,3135 10840,3135 10840,1250 10510,1250 10510,780 9540,780 9540,-110 11840,-110 11840,2065
no net on Bottom Layer "Layer 4 - Bottom Layer - QGND" (solid, remove dead copper, pour order 8): 11835,2065 11380,2065 11380,3135 10840,3135 10840,1250 10510,1250 10510,780 9540,780 9540,-110 11840,-110 11840,2065
no net on Bottom Layer "Layer 4 - Bottom Layer - PGND" (solid, remove dead copper, pour order 9): 8760,1370 8560,1370 8525,1405 8410,1520 8410,1715 8410,2065 8655,2310 9195,2850 9195,3720 9195,3775 8390,3775 8390,3850 11840,3850 11840,2095 11410,2095 11410,3165 10830,3165 10830,3775 9615,3775 9615,2675 8830,1890 8830,1370
no net on Bottom Layer "Layer 4 - Bottom Layer - VSS" (solid, remove dead copper, pour order 10): 6930,-110 9520,-110 9520,810 10480,810 10480,1280 10810,1280 10810,3675 10330,3675 10330,3755 10150,3755 10150,3670 9750,3670 9750,3755 9645,3755 9645,3675 9645,2655 9465,2475 8890,1900 8890,1870 8890,1530 8870,1510 8860,1500 8860,1445 8860,1340 8545,1340 8475,1410 8380,1505 8380,1605 8380,2065 9175,2860 9175,3050 9175,3760 8370,3760 8370,3845 8370,3850 6930,3850

## Other copper
Top Layer:
  region net CD: 7890,3475 7890,2950 7890,2856 8003.5,2856 8043.37,2895.87 8078.75,2931.25 8087.5,2940 8172.5,3025 8320,3025 8390,2955 8555,2955 8570,2970 8570,3005 8590,3025 8625,3025 8645,3005 8645,2970 8655,2960 8835,2960 8850,2975 8850,3470 8845,3475 8020,3475 7990,3505 7910,3505 7890,3485
  region net NetF1_2: 7415,3450 7520,3345 7520,3155 7475,3110 7260,3110 7215,3155 7215,3265 7230,3280 7310,3280 7325,3295 7325,3400 7350,3425 7370,3425 7395,3450
  region net 16P: 6970,3015 6940,3045 6940,3495 6940,3810 6970,3840 7365,3840 7395,3810 7395,3588.75 7395,3480 7360,3445 7300,3445 7265,3480 7250,3480 7150,3480 7125,3455 7125,3200 7210,3115 7210,3045 7180,3015
  region net CPACK+: 7945,3745 7945,3725 8040,3725 8068,3697 8068,3570 8200,3570 8260,3510 8635,3510 8670,3545 8670,3760 8635,3795 8380,3795 8335,3840 7970,3840 7945,3815
  region net NetQ2_3: 7910,3545 8035,3545 8035,3690 8020,3705 7995,3705 7945,3705 7890,3650 7890,3565
  region net 12P: 7010,2520 7055,2475 7265,2475 7680.89,2059.11 7680.89,1945 7705,1920.89 7744.11,1920.89 7768.23,1945 7768.23,2213.23 7561.46,2420 7561.46,2520 7561.46,2558.54 7520,2600 7055,2600 7010,2555
  region net NetQ5_3: 7860,2830 7845,2815 7730,2815 7695,2850 7635,2850 7620,2865 7620,2940 7640,2960 7755,2960 7775,2940 7775,2915 7795,2895 7845,2895 7860,2880
  region net NetD2_1: 8315,3005 8385,2935 8425,2935 8445,2915 8445,2775 8420,2750 8140,2750 8115,2775 8115,2935 8185,3005
  pour cut-out: 7860,1995 8060,1995 8060,2595 7860,2595
  region net NetR6_1: 8280,2385 8250,2355 8120,2355 8090,2385 8090,2700 8120,2730 8280,2730
  region net VSS: 7680,2558.7 7758.7,2558.7 7825,2625 7825,2745 7770,2745 7680,2655
  region net VSS: 7600,3280 7600,2985 7570,2955 7530,2955 7500,2985 7500,3105 7545,3150 7545,3280
  pour cut-out: 7604.71,2940 7604.71,3095 7615,3095 7625,3085 7625,2955 7610,2940
  region net FBAT: 7415,3810 7445,3840 7900,3840 7925,3815 7925,3755 7919,3749 7879,3749 7870,3740 7870,3030 7865,3025 7690,3025 7620,3095 7620,3355 7600,3375 7520,3375 7415,3480
  pour cut-out: 8345,1794.51 8345.49,1795 8385,1795 8385,1805 8345,1805
  region net BAT-: 6985,345 7045,285 8460,285 8830,655 8830,1290 8850,1310 8850,1320 8830,1340 8559.99,1339.99 8410,1190 8410,835 8280,705 7060,705 6985,630
  pour cut-out: 8945,380 8960,380 9070,490 9070,695 8995,695 8995,470 8945,420
  region net NetR5_1: 8305,2385 8335,2355 8465,2355 8495,2385 8495,2700 8465,2730 8305,2730
  region net NetQ6_3: 8555,2855 8645,2765 8770,2765 8790,2785 8790,2895 8772,2913 8555,2913
  region net 8P: 7470,1800 7680,1590 7680,1450 7705,1425 7745,1425 7770,1450 7770,1790 7640,1920 7640,2030 7600,2070 7400,2070 7259.45,1929.45 7049.45,1929.45 7010,1890 7010,1840 7050,1800
  region net 4P: 7050,1260 7100,1260 7410,1570 7535,1570 7635,1470 7635,1365 7770,1230 7770,945 7745,920 7705,920 7680,945 7680,1049.37 7589.37,1140 7045,1140 7010,1175 7010,1220
  pour cut-out: 9964.49,625.51 9964.49,715 9995,715 9995,625.51
  region net VSS: 9695,1085 9775,1085 9800,1110 9800,1175 9760,1215 9715,1215 9715,1175 9695,1155
  pour cut-out: 10735,570 11385,570 11385,1195 10735,1195
  region net PGND: 11520,2102 11513,2095 11487.42,2095 11487.42,2130 11592.58,2130 11592.58,2095 11565,2095 11558,2102
  region net QGND: 11510,2055 11500,2045 11500,1995 11580,1995 11580,2045 11570,2055
  region net QGND: 11520,2058 11513,2065 11487.42,2065 11487.42,2030 11592.58,2030 11592.58,2065 11565,2065 11558,2058
  region net QGND: 10937,1581 10991.82,1581 10995,1577.82 10995,1572 10937,1572
  pour cut-out: 9560,330 10655,330 10655,430 9560,430
  pour cut-out: 10041.5,1782.32 10008.5,1782.32 10008.5,1491.95 10041.5,1491.74
  region net VSS: 6965,560 6955,570 6930,570 6930,510 6955,510 6965,520
  pour cut-out: 11585,2975 11585,3275 11685,3275 11685,2975
  region net PGND: 11570,2105 11580,2115 11580,2165 11500,2165 11500,2115 11510,2105
  region net PGND: 8830,1370 8850,1390 8850,1400 8830,1420 8830,1890 9615,2675 9615,3720 9540,3795 9270,3795 9195,3720 9195,2850 8410,2065 8410,1520 8560,1370
  region net PACK+: 9175,3720 9175,2860 9080,2765 8830,2765 8810,2785 8810,2910 8870,2970 8870,3105 8875,3110 8930,3110 8945,3125 8945,3175 8915,3205 8885,3205 8870,3220 8870,3405 8875,3410 8930,3410 8945,3425 8945,3485 8920,3510 8853.5,3510 8810,3553.5 8810,3700 8810,3745 8860,3795 9100,3795
  region net NetC71_1: 8120,2335 8090,2305 8090,1970 8120,1940 8240,1940 8255,1925 8255,1860 8300,1860 8300,1925 8315.01,1940.01 8335.01,1940.01 8380,1985 8380,2080 8495,2195 8495,2305 8465,2335
  pour cut-out: 11809.65,955.2 11809.65,1134.8 11610.35,1134.8 11610.35,955.2
  pour cut-out: 9335,1195 9685,1195 9685,1545 9335,1545
  region net QGND: 11398,866 11401,869 11503,869 11511,877 11527,877 11527,823 11511,823 11503,831 11401,831 11398,834
  region net QGND: 11610,570 11630,550 11675,550 11675,600 11610,600
  region net 3.3V: 10631,34 10665,0 10665,-50 10630,-85 10540,-85 10515,-60 10515,126.65 10501.65,140 10225,140 10210,155 10210,230 10225,245 10618,245 10631,232
  pour cut-out: 10280.75,-37.24 10449.25,-37.24 10449.25,-30 10280.75,-30
  region net VBUS: 11072,4.13 11072,93.64 11045.51,120.13 11045.51,185.13 11000.51,230.13 10700.51,230.13 10695.51,225.13 10695.51,189.49 10804.87,80.13 11044.51,80.13 11055,69.64 11055,4.13
  region net NetJ26_6: 11047,60 11047,-24 11057,-34 11172,-34 11183,-23 11183,63 11195,75 11195,100 11200,105 11239.21,105 11280,64.21 11280,-112 10953,-112 10953,33 10980,60
  region net QGND: 10720,55 10656.46,55 10642,69.46 10642,252 10658,268 10748,268 10755,275 10755,310 10775,330 10865,330 10875,320 10875,250 10867,242 10697,242 10685,230 10685,180 10736,129 10736,71 10735,70
  pour cut-out: 10641.81,242.81 10641.81,256.81 10653,268 10693,268 10693,279 10636,279 10630,273 10630,242.81
  pour cut-out: 8948.5,1493.58 8981.5,1493.58 8981.5,1881.42 8948.5,1881.42
  region net VSS: 9810,1425 9810,1360 9860,1310 9940,1310 9940,1360 9875,1425
  pour cut-out: 9063.58,1896.5 9063.58,1863.5 10026.42,1863.5 10026.42,1896.5
Mid-Layer 1:
  pour cut-out: 7860,1995 8060,1995 8060,2595 7860,2595
  pour cut-out: 8505,3635 8230,3635 8230,3770 8505,3770
  pour cut-out: 9030,3289.51 9090,3289.51 9090,3300 9030,3300
  pour cut-out: 9116.11,3674.68 9180,3674.68 9180,3685 9116.11,3685
  pour cut-out: 11585,2975 11585,3275 11685,3275 11685,2975
  pour cut-out: 11290,450 11490,450 11490,550 11290,550
Mid-Layer 2:
  pour cut-out: 10660.14,1317.55 10660,1275 10670,1275 10670,1317.55
  pour cut-out: 11678.99,1009.57 11678.99,1080.43 11700,1080.43 11700,1009.57
  pour cut-out: 11805.9,670 11805.9,770 11714.1,770 11714.1,670
  pour cut-out: 8500,3635 8230,3635 8230,3770 8500,3770
  pour cut-out: 7845,2595 7845,1995 8060,1995 8060,2595
  pour cut-out: 9030,3289.51 9090,3289.51 9090,3300 9030,3300
  pour cut-out: 9215,1954.51 10070,1954.51 10070,1980 9215,1980
  pour cut-out: 7865,870 7865,1870 8120,1870 8120,870
  pour cut-out: 9116.11,3674.68 9180,3674.68 9180,3685 9116.11,3685
  pour cut-out: 11585,2975 11585,3275 11685,3275 11685,2975
  pour cut-out: 11290,450 11490,450 11490,550 11290,550
Bottom Layer:
  region net 12P: 7437,2588 7437,2492 7537,2492 7560,2515 7675,2515 7675,2560 7560,2560 7532,2588
  pour cut-out: 7226.18,2433.7 7226.18,2506.3 7211.89,2506.3 7211.89,2433.7
  pour cut-out: 7226.18,2506.3 7226.18,2433.7 7209,2433.7 7209,2506.3
  region net 4P: 7437,1568 7437,1472 7537,1472 7560,1495 7675,1495 7675,1540 7560,1540 7532,1568
  region net VSS: 7437,1068 7437,972 7537,972 7560,995 7610,995 7610,1040 7560,1040 7532,1068
  region net 8P: 7437,2068 7437,1972 7537,1972 7560,1995 7675,1995 7675,2040 7560,2040 7532,2068
  pour cut-out: 7860,1995 8060,1995 8060,2595 7860,2595
  region net FBAT: 7860,3760 7855,3755 7830,3755 7820,3745 7820,3605 7708.03,3605 7708.03,3798.03 7725,3815 7845,3815 7860,3800
  pour cut-out: 7226.18,3056.3 7226.18,2848.7 7203,2848.7 7203,3056.3
  region net PACK+: 8875,3510 8930,3510 8945,3525 8945,3605 8890,3605 8875,3590
  region net NetC37_1: 8755,3500 8855,3500 8855,3570 8755,3570
  region net NetC34_2: 8570,3680 8580,3670 8665,3670 8675,3680 8675,3725 8665,3735 8580,3735 8570,3725
  region net CPACK+: 8550,3670 8530,3650 8385,3650 8375,3660 8375,3745 8385,3755 8425,3755 8430,3760 8430,3792 8440,3792 8440,3760 8445,3755 8530,3755 8550,3735
  region net PGND: 8420,3772 8405,3772 8390,3787 8390,3837 8480,3837 8480,3787 8465,3772 8450,3772 8450,3797 8445,3802 8425,3802 8420,3797
  region net FBAT: 8735,3500 8230,3500 8175,3555 8100,3555 8020,3475 7800,3475 7790,3485 7790,3540 7800,3550 7975,3550 8065,3640 8210,3640 8280,3570 8725,3570 8735,3560
  region net CPACK+: 7995,3750 8010,3735 8065,3735 8065,3815 8010,3815 7995,3800
  region net NetC29_1: 7875,3755 7975,3755 7975,3800 7960,3815 7890,3815 7875,3800
  region net PGND: 8610,3835 8610,3770 8630,3750 8670,3750 8690,3770 8690,3835
  region net NetC42_2: 9095,3610 9095,3560 9195,3560 9195,3610
  region net PGND: 9215,3560 9230,3545 9280,3545 9280,3625 9230,3625 9215,3610
  region net PGND: 9100,3775 9085,3775 9070,3790 9070,3840 9160,3840 9160,3790 9145,3775 9130,3775 9130,3800 9125,3805 9105,3805 9100,3800
  region net PACK+: 9110,3795 9110,3770 9080,3740 9080,3630 9150,3630 9150,3740 9120,3770 9120,3795
  pour cut-out: 8230.69,3704.5 8230.69,3623 8243,3623 8243,3704.5
  pour cut-out: 11306.81,785.63 11306.81,771.81 11290,755 11267.5,755 11267.5,785.63
  pour cut-out: 11155,213.45 11155,235 11140,250 11140,665 11160,685 11235,685 11255,665 11280,665 11295,680 11295,760 11280,775 11255,775 11196,716 11146,716 11110,680 11110,285 11050,225 11050,205 11065,190 11140,190 11155,205
  pour cut-out: 9456.5,156.1 9525,156.1 9525,170 9456.5,170
  pour cut-out: 9360.39,270 9360.39,350 9340,350 9340,270
  pour cut-out: 8206.42,517.32 8206.42,2313.58 8175,2345 8035,2345 8010,2320 8010,2256.5 7914.1,2160.59 7914.1,665 7960,619.1 8103.58,619.1 8103.58,517.32
  pour cut-out: 10150,3670 10164.51,3670 10164.51,3678 10150,3678
  region net PACK+: 9115,2935 9145,2905 9535,2905 9545,2895 9545,2830 9535,2820 9110,2820 9085,2820 9025,2880 9005,2900 9005,3100 9075,3170 9075,3210 9085,3220 9105,3220 9115,3210
  region net CD: 8850,3475 8205,3475 8000,3270 8000,2884.75 8032.25,2884.75 8172.5,3025 8330,3025 8360,2995 8850,2995
  region net PACK+: 9105,3445 9115,3435 9115,3325 9095,3305 9020,3305 9020,3425 9040,3445
  pour cut-out: 9966.42,3108.5 9966.42,3150 9768.58,3150 9768.58,3108.5
  pour cut-out: 9767.32,3018.58 9962.68,3018.58 9962.68,3050 9767.32,3050
  pour cut-out: 9876.42,3408.5 9876.42,3450 9773.58,3450 9773.58,3408.5
  pour cut-out: 9748.5,3518.58 9790,3518.58 9790,3621.42 9748.5,3621.42
  pour cut-out: 9658.5,3228.58 9700,3228.58 9700,3331.42 9658.5,3331.42
  region net PGND: 9360,2995 9440,2995 9440,3075 9360,3075
  pour cut-out: 9663.5,2908.58 9705,2908.58 9705,3011.42 9663.5,3011.42
  pour cut-out: 9535,2920.29 9589.71,2920.29 9590.01,2790 9535,2790
  region net QGND: 11067,34 11160,34 11160,42 11067,42
  pour cut-out: 9564.49,334.1 9564.49,425.9 10645,425.9 10645,334.1
  pour cut-out: 11810.9,1429.49 11794,1429.49 11794,1775 11810.9,1775
  region net VSS: 9690,1155 9800,1155 9800,1110 9785,1095 9750,1095 9740,1085 9690,1085
  pour cut-out: 10094.02,1367.52 10097.91,1367.52 10150.49,1420.1 10150.49,1545 10140.49,1555 10133.01,1562.48 10015.98,1562.48 10015.98,1429.98 9984.51,1398.5 9984.51,1295.49 10010,1270 10060,1270 10094.02,1304.02
  region net PGND: 11342,3676.67 11339.4,3679.27 11336.27,3679.27 11335,3678 11335,3632 11336,3631 11339,3631 11342,3634
  region net PGND: 11345,3770 11330,3770 11315,3785 11315,3835 11405,3835 11405,3785 11390,3770 11375,3770 11375,3795 11370,3800 11350,3800 11345,3795
  region net PGND: 11045,3770 11030,3770 11015,3785 11015,3835 11105,3835 11105,3785 11090,3770 11075,3770 11075,3795 11070,3800 11050,3800 11045,3795
  region net PGND: 11042,3676.67 11039.4,3679.27 11036.27,3679.27 11035,3678 11035,3632 11036,3631 11039,3631 11042,3634
  region net PGND: 11690,3000 11705,2985 11775,2985 11775,3165 11705,3165 11690,3150 11690,3140 11715,3140 11720,3135 11720,3115 11715,3110 11690,3110 11690,3040 11715,3040 11720,3035 11720,3015 11715,3010 11690,3010
  region net PGND: 11585,3143 11585,3154 11546,3154 11540,3148 11540,3146 11543,3143
  region net PGND: 11585,3007 11585,2995 11547,2995 11540,3002 11540,3004 11543,3007
  pour cut-out: 11585,2975 11585,3275 11685,3275 11685,2975
  pour cut-out: 7226.18,1831.3 7226.18,1623.7 7210,1623.7 7210,1831.3
  pour cut-out: 7226.18,1161.3 7226.18,953 7214.34,953 7210,953 7210,1161.3

## Silkscreen, mask and mechanical layers (free items; w line width, h text height)
Top Overlay:
  text "EXT SPI" at 11025,3790 h75
  text "CPACK+" at 8025,3650 h50
  text "CPACK+" at 8230,3530 h75
  text "TS2" at 10125,3525 h75 r90
  text "PACK+" at 8941.01,3514.5 h75
  text "PACK-" at 9224.71,3514.5 h75
  text "VSS" at 9725,3510 h75 r90
  text "VSS" at 10305,3510 h75 r90
  text "REG1" at 9925,3475 h75 r90
  text "REG2" at 9825,3465 h75 r90
  text "DCHG" at 10605,3455 h75 r90
  text "DDSG" at 10705,3455 h75 r90
  text "Input 6A max" at 8965,3450 h75
  text "REGIN" at 10025,3440 h75 r90
  text "PACK-" at 10985,3435 h75 r90
  text "SPI_CS" at 11085,3410 h75 r90
  text "BAT+" at 6955,3380 h75
  text "SPI_CLK" at 11185,3365 h75 r90
  text "DFETOFF" at 10405,3340 h75 r90
  text "CFETOFF" at 10505,3340 h75 r90
  text "SPI_MISO" at 11285,3335 h75 r90
  text "SPI_MOSI" at 11385,3335 h75 r90
  text "FBAT" at 7640,3320 h50
  text "CD" at 8170,3305 h50
  text "RST_SHUT" at 10805,3295 h75 r90
  text "GND" at 10140,3190 h75
  text "PACK" at 9945,3160 h50
  text "uC_SCL" at 10775,3115 h75
  text "FUSE" at 7315,3090 h50
  text "CELL16" at 7226.06,3030 h75
  text "SCL" at 10410,3010 h75
  text "Dg" at 9698.25,2959.94 h50
  text "DSG" at 9960,2960 h50
  text "EXT I2C" at 11570,2950 h75 r90
  text "CELL15" at 7226.06,2927.65 h75
  text "uC_SPI_CLK" at 10775,2915 h75
  text "GND" at 7480,2870 h75
  text "CELL14" at 7226.06,2789.65 h75
  text "PACK+" at 8980,2785 h50
  text "FUSEPIN" at 7695,2760 h50
  text "LD" at 9700,2760 h50
  text "PCHG" at 9945,2760 h50
  text "uC_SDA" at 10775,2715 h75
  text "CELL13" at 7226.06,2651.65 h75
  text "Pcg" at 7920,2630 h50
  text "SDA" at 10410,2615 h75
  text "Pdg" at 8570,2610 h50
  text "CHG" at 9685,2560 h50
  text "PDSG" at 9950,2560 h50
  text "16" at 7770,2520 h75
  text "uC_SPI_MISO_A" at 10775,2515 h75
  text "CELL12" at 7226.06,2513.65 h75
  text "Cg" at 8580,2445 h50
  text "15" at 7770,2420 h75
  text "CELL11" at 7226.06,2375.65 h75
  text "14" at 7770,2320 h75
  text "CFETOFF" at 10235,2310 h50
  text "uC_SPI_CS" at 10480,2225 h75
  text "13" at 7770,2220 h75
  text "12" at 7770,2120 h75
  text "CELL10" at 7226.06,2116.65 h75
  text "HDQ" at 10335,2095 h50
  text "Cell simulator" at 8120,2075 h75 r90
  text "HDQ_PU" at 10530,2025 h75
  text "11" at 7770,2020 h75
  text "CELL9" at 7226.06,1978.65 h75
  text "SDA" at 10345,1900 h50
  text "CELL8" at 7226.06,1840.65 h75
  text "SDA_PU" at 10530,1825 h75
  text "10" at 7770,1795 h75
  text "SCL" at 10345,1705 h50
  text "CELL7" at 7226.06,1702.65 h75
  text "9" at 7805,1695 h75
  text "SCL_PU" at 10530,1625 h75
  text "8" at 7805,1595 h75
  text "CELL6" at 7226.06,1564.65 h75
  text "7" at 7805,1495 h75
  text "ALERT_PU" at 10490,1425 h75
  text "BAT" at 10185,1415 h50
  text "6" at 7805,1395 h75
  text "SRN" at 9135,1380 h50
  text "CELL5" at 7226.06,1305.65 h75
  text "SRP" at 9135,1300 h50
  text "5" at 7805,1295 h75
  text "CP1" at 10045,1275 h50
  text "GND" at 10250,1275 h50
  text "BAT-" at 8420,1245 h75
  text "uC_HDQ" at 10520,1225 h75
  text "TS1" at 9115,1205 h50
  text "4" at 7805,1195 h75
  text "Input 72V max" at 7625,1180 h75 r90
  text "Input 6A max" at 7710,1180 h75 r90
  text "CELL4" at 7226.06,1167.65 h75
  text "BREG" at 10045,1150 h50
  text "REGIN" at 10250,1150 h50
  text "Cell simulator" at 8120,1135 h75 r90
  text "3" at 7805,1095 h75
  text "CELL3" at 7226.06,1029.65 h75
  text "2" at 7805,995 h75
  text "ALERT" at 9315,960 h50
  text "PU" at 9520,950 h75 r90
  text "PD" at 9900,950 h75 r90
  text "TS3" at 9115,910 h50
  text "1" at 7810,895 h75
  text "CELL2" at 7226.06,891.65 h75
  text "uC_HDQ" at 10350,850 h75 r90
  text "REG18" at 9185,815 h50
  text "CELL1" at 7226.06,753.65 h75
  text "uC_SPI_MOSI" at 9960,725 h75 r90
  text "GND" at 7585,645 h75
  text "HDQ" at 10160,645 h75 r90
  text "PD" at 9200,630 h75 r90
  text "PU" at 9270,630 h75 r90
  text "PD" at 9650,630 h75 r90
  text "EXT" at 8815,625 h75 r90
  text "BAT-" at 7226.06,615.65 h75
  text "QGND" at 11505,495 h75
  text "CFETOFF" at 9710,485 h75 r90
  text "TS2" at 9010,345 h75 r90
  text "TS2" at 8865,270 h50
  text "REG1" at 9275,260 h50
  text "VBUS" at 10890,255 h75
  text "GND" at 8665,240 h75
  text "DFETOFF" at 9460,165 h75 r90
  text "BQ76952EVM" at 7655,85 h108.27
  text "'.PRJ_Number'.PCB_Rev" at 7655,-5 h108.27
  text "USB" at 11315,-50 h75
  text "3.3V" at 10705,-70 h75
  text "WAKE" at 8650,-100 h75
  text "RESET" at 9120,-100 h75
Mechanical 1:
  lines w10: 6910,-130 11860,-130 11860,3870 6910,3870 6910,-130

## Dimensions
6910,-130 to 11860,-130 on Mechanical 2
6910,-130 to 6910,3870 on Mechanical 2

## Text inside footprints (layer, text, board x,y; h text height)
J26: Mechanical 1 "Board Edge" at 10680.75,-164.65 h27.56
Logo8: Top Overlay "For evaluation only; not FCC approved for resale." at 7182.93,-68.9 h60